# Altium PCB PCB1.PcbDoc (part 1 of 4) (continued)
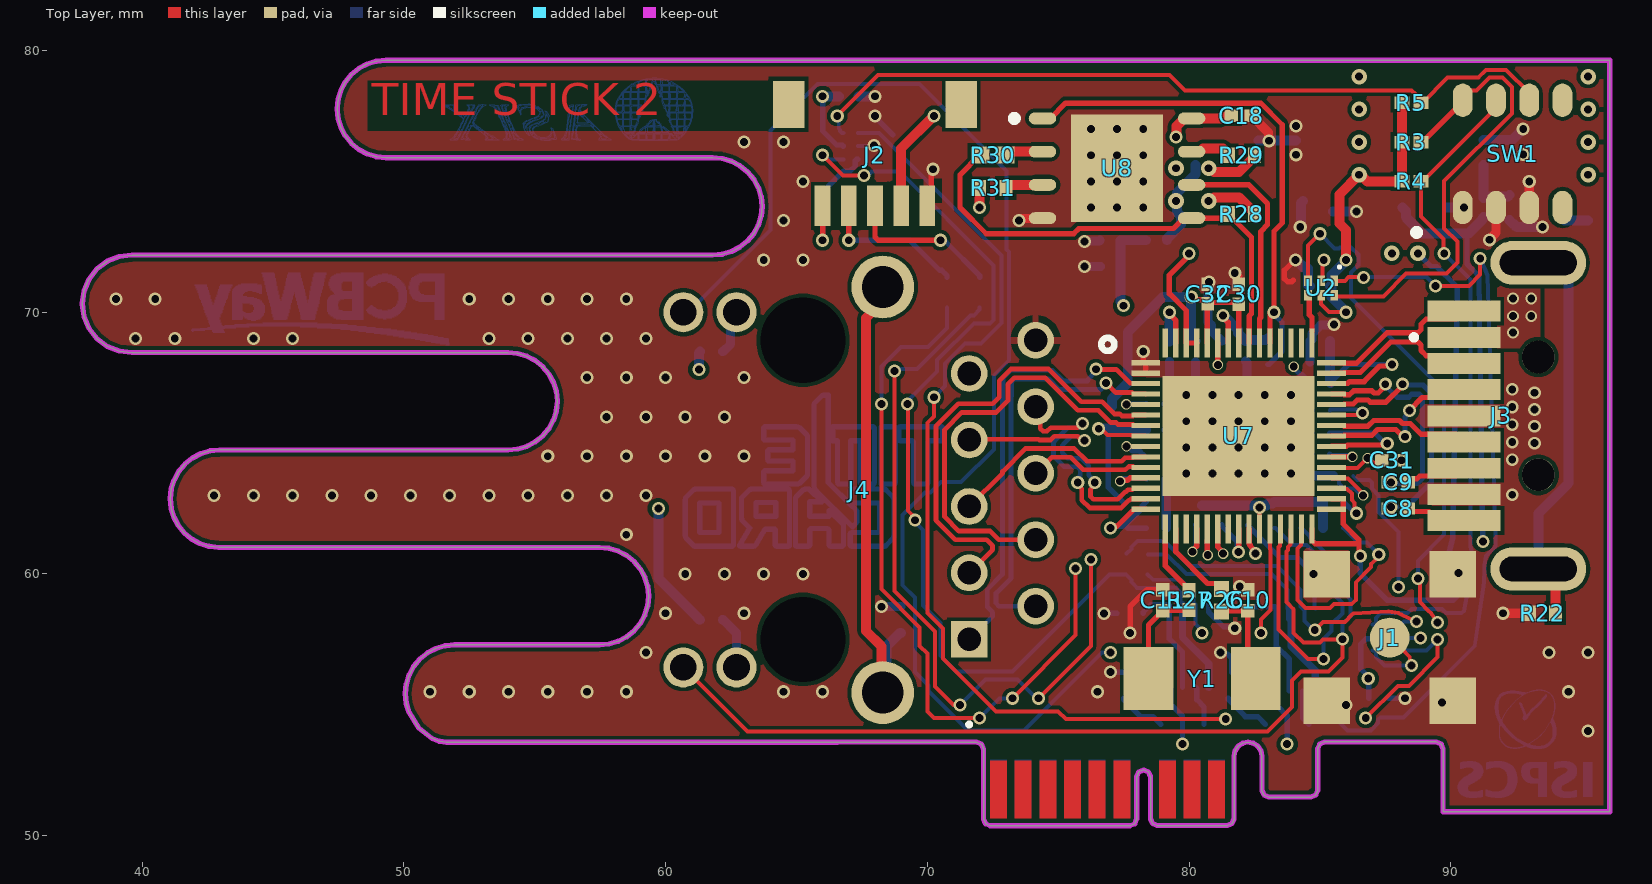
[diagram p0: Top Layer view]
## Footprints (in the part's own frame and the unit in brackets; to place one, negate y for a bottom-side part, rotate by r counter-clockwise, add the part's x,y. Pads: shape width x height; smd on the part's side, far side on the other; paste and mask are expansions set on the pad) (continued)
  rect 0.615x0.572 smd paste+0 mask+0: 1(-0.429,0) 2(0.429,0)
  body extent -0.5,-0.25 0.5,0.25, height 0.4
FP-RMCF0402-IPC_C [mm]
  rect 0.581x0.472 smd paste+0 mask+0: 1(-0.366,0) 2(0.366,0)
  body extent -0.76,-0.38 0.76,0.38, height 0.25
FP-RMCF0402-MFG [mm]
  rect 0.5x0.6 smd paste+0 mask+0: 1(-0.5,0) 2(0.5,0)
  body extent -0.85,-0.4 0.85,0.4, height 0.25
FP-RT0402-MFG [mm]
  rect 0.5x0.6 smd paste+0 mask+0: 1(-0.5,0) 2(0.5,0)
  body extent -0.5,-0.25 0.5,0.25, height 0.35
IC_AX88279 [mm]
  rect 1.1x0.2 smd: 1(-3.55,2.8) 2(-3.55,2.4) 3(-3.55,2) 4(-3.55,1.6) 5(-3.55,1.2) 6(-3.55,0.8) 7(-3.55,0.4) 8(-3.55,0) 9(-3.55,-0.4) 10(-3.55,-0.8) 11(-3.55,-1.2) 12(-3.55,-1.6) 13(-3.55,-2) 14(-3.55,-2.4) 15(-3.55,-2.8) 31(3.55,-2.8) 32(3.55,-2.4) 33(3.55,-2) 34(3.55,-1.6) 35(3.55,-1.2) 36(3.55,-0.8) 37(3.55,-0.4) 38(3.55,0) 39(3.55,0.4) 40(3.55,0.8) 41(3.55,1.2) 42(3.55,1.6) 43(3.55,2) 44(3.55,2.4) 45(3.55,2.8)
  rect 0.2x1.1 smd: 16(-2.8,-3.55) 17(-2.4,-3.55) 18(-2,-3.55) 19(-1.6,-3.55) 20(-1.2,-3.55) 21(-0.8,-3.55) 22(-0.4,-3.55) 23(0,-3.55) 24(0.4,-3.55) 25(0.8,-3.55) 26(1.2,-3.55) 27(1.6,-3.55) 28(2,-3.55) 29(2.4,-3.55) 30(2.8,-3.55) 46(2.8,3.55) 47(2.4,3.55) 48(2,3.55) 49(1.6,3.55) 50(1.2,3.55) 51(0.8,3.55) 52(0.4,3.55) 53(0,3.55) 54(-0.4,3.55) 55(-0.8,3.55) 56(-1.2,3.55) 57(-1.6,3.55) 58(-2,3.55) 59(-2.4,3.55) 60(-2.8,3.55)
  rect 5.8x4.6 smd paste-2539.97: 61(0,0)
  silkscreen extent -5.25,3.25 -4.75,3.75, body extent -3.5,-3.5 3.5,3.5, height 0.85
JST_SM05B-SRSS-TB_REV_NOV_29_2010 [mm] "Package information: https://www.jst-mfg.com/product/pdf/eng/eSH.pdf?65aee7afe015b"
  rect 1.55x0.6 smd paste+0 mask+0.05: 1(1.938,2) 2(1.938,1) 3(1.938,0) 4(1.938,-1) 5(1.938,-2)
  rect 1.8x1.2 smd paste+0 mask+0.05: MT1(-1.937,3.3) MT2(-1.937,-3.3)
  body extent -2.64,-3.5 2.31,3.5, height 2.97
PSON50P140X100X40-6N [mm]
  rect 0.4x0.3 smd: 1(-0.275,0.5) 2(-0.275,0) 3(-0.275,-0.5) 4(0.275,-0.5) 5(0.275,0) 6(0.275,0.5)
  silkscreen extent -0.85,0.65 -0.75,0.75
"RES 0402_1005" [mm] "Chip Resistor, 2-Leads, Body 1.0x0.5mm, IPC Medium Density"
  rect 0.75x0.6 smd: 1(-0.575,0) 2(0.575,0)
  body extent -0.5,-0.25 0.5,0.25, height 0.35
RESC1005X40X25LL10T10 [mm] "Chip Resistor, 2-Leads, Body 1.00x0.50mm, IPC High Density"
  rect 0.55x0.5 smd: 1(-0.375,0) 2(0.375,0)
  body extent -0.55,-0.3 0.55,0.3, height 0.4
RESC1005X40X25ML05T05 [mm] "Chip Resistor, 2-Leads, Body 1.00x0.50mm, IPC Low Density"
  rect 0.65x0.65 smd: 1(-0.5,0) 2(0.5,0)
  body extent -0.53,-0.27 0.53,0.28, height 0.4
RESC1005X40X25ML05T10 [mm] "Chip Resistor, 2-Leads, Body 1.00x0.50mm, IPC Low Density"
  rect 0.7x0.65 smd: 1(-0.475,0) 2(0.475,0)
  body extent -0.53,-0.27 0.53,0.28, height 0.4
SOP50P310X90-8N [mm]
  rect 0.85x0.3 smd: 1(-1.575,0.75) 2(-1.575,0.25) 3(-1.575,-0.25) 4(-1.575,-0.75) 5(1.575,-0.75) 6(1.575,-0.25) 7(1.575,0.25) 8(1.575,0.75)
  body extent -1.55,-1 1.55,1, height 0.9

## Part data
C1 C2 C3 C4 C5 C8 C9 C14 C15 C16 C17 C18 C20 C21 C22 C23 C24 C25 C26 C27 C30 C31 C32 C33 C34: library part CMP-13271-002758-1, "Cap Ceramic 100nF 10V X7R ±10% SMD 0402 +125°C Paper T/R", Case Code (Imperial)=0402, Case Code (Metric)=1005, Dielectric=X7R, Dielectric Material=Ceramic, Manufacturer=KEMET, Manufacturer Part Number=C0402C104K4RAC-TU, Max Operating Temperature=125°C, Min Operating Temperature=-55°C, Package Quantity=50000, Supplier Part Number=399-C0402C104K4RAC7867CT-ND, Tolerance=10%, Voltage=16V, Voltage Rating=10V, Capacitance=100nF, Case/Package=0402, CATEGORY="Ceramic Capacitors", Depth=0.5mm, Dissipation Factor=3.5%, Height=0.5mm, Length=1mm, Mount="Surface Mount", Packaging="Tape and Reel", Pins=2, Pricing="1=0.1, 10=0.032, 50=0.0182, 100=0.0141, 500=0.0106, 1000=0.00833, 2500=0.00758, 5000=0.00697 (USD)", Radiation Hardening=No, Reach SVHC Compliant=No, RoHS=Yes, Series=C, Stock=3965396, Supplier=Digikey, Termination=SMD/SMT, Thickness=0.022inch, Voltage Rating (DC)=10V, Width=0.02inch
C6 C12 C13 C19 C28: library part CMP-14477-004104-2, "Ceramic Capacitor General Use 4.7uF ±20% 10V X5R 0402", Capacitance=4.7uF, Case Code (Imperial)=0402, Case Code (Metric)=1005, Dielectric=X5R, Manufacturer="Taiyo Yuden", Manufacturer Part Number=LMK105BBJ475MVLF, Max Operating Temperature=85°C, Min Operating Temperature=-55°C, Package Quantity=10000, Resistor Type=Ceramic, Supplier Part Number=587-3408-1-ND, Tolerance=20%, Voltage Rating=10V, Case/Package=0402, CATEGORY="Ceramic Capacitors", ComponentLink1Description=https://datasheet.ciiva.com/24462/423lmk105bbj475mvlf-24462535.pdf?src-supplier=Onlinecomponents.com, ComponentLink1URL=https://datasheet.ciiva.com/24462/423lmk105bbj475mvlf-24462535.pdf?src-supplier=Onlinecomponents.com, ComponentLink2Description=https://datasheet.ciiva.com/18697/mlcc-all-e-18697686.pdf?src-supplier=Digikey, ComponentLink2URL=https://datasheet.ciiva.com/18697/mlcc-all-e-18697686.pdf?src-supplier=Digikey, ComponentLink3Description=https://datasheet.ciiva.com/18697/mlcc-all-e-18697685.pdf?src-supplier=Digikey, ComponentLink3URL=https://datasheet.ciiva.com/18697/mlcc-all-e-18697685.pdf?src-supplier=Digikey, Construction=Flat, Halogen Free="Halogen Free", Height=0.5mm, Length=1mm, Material=4241ConductorMaterial, Mount="Surface Mount", Mounting Technology="Surface Mount", Packaging="Tape and Reel", Pricing="1=0.19, 10=0.12, 50=0.076, 100=0.0607, 500=0.04386, 1000=0.03879, 2500=0.03711, 5000=0.03373 (USD)", RoHS=Yes, RoHS Compliant=Yes, Series=M, Stock=753964, Supplier=Digikey, Termination=SMD/SMT, Thickness=0.022inch, Voltage Rating (DC)=10V, Weight=2.3E-05oz, Width=0.02inch
C7 C29: library part CMP-2000-05441-1, "Chip Capacitor, 22 uF, +/- 20%, 10 V, -55 to 85 degC, 0603 (1608 Metric), RoHS, Tape and Reel", Capacitance=22µF, Case Code (Imperial)=0603, Case Code (Metric)=1608, Dielectric=X5R, Dielectric Material=Ceramic, Manufacturer=TDK, Manufacturer Part Number=C1608X5R1A226M080AC, Max Operating Temperature=85°C, Min Operating Temperature=-55°C, Operating Temperature=-55degC~85degC, Package / Case=0603(1608Metric), Package Description="2-Pin Surface Mount Device, Body 1.6 x 0.8 mm", Package Quantity=4000, Package Reference=603, PCN Part Number=MLCCPartNumberChange30/Nov/2012, Ratings=-, Standard Package=1, Supplier Part Number=445-9077-1-ND, Tolerance=±20%, Voltage - Rated=10V, Applications=GeneralPurpose, Case/Package=0603, CATEGORY=Capacitors, ComponentLink1Description=https://datasheet.ciiva.com/6274/tdkmlcccaprange-6274860.pdf?src-supplier=Digikey, ComponentLink1URL=https://datasheet.ciiva.com/6274/tdkmlcccaprange-6274860.pdf?src-supplier=Digikey, ComponentLink2Description=https://datasheet.ciiva.com/6274/tdkmlcccaprange-6274859.pdf?src-supplier=Digikey, ComponentLink2URL=https://datasheet.ciiva.com/6274/tdkmlcccaprange-6274859.pdf?src-supplier=Digikey, ComponentLink3Description=https://datasheet.ciiva.com/6274/tdkmlcccaprange-6274861.pdf?src-supplier=Digikey, ComponentLink3URL=https://datasheet.ciiva.com/6274/tdkmlcccaprange-6274861.pdf?src-supplier=Digikey, ComponentLink4Description=https://datasheet.ciiva.com/24216/mlcc-commercial-general-en-24216575.pdf?src-supplier=Mouser, ComponentLink4URL=https://datasheet.ciiva.com/24216/mlcc-commercial-general-en-24216575.pdf?src-supplier=Mouser, Datasheet URL=http://download.siliconexpert.com/pdfs/2015/4/21/15/54/45/779/tdk_/manual/37024850441143360mlcc_commercial_general_en.pdf, Datasheet Version=Mar-15, Design Resources=20WNon-IsolatedBuckLEDDriverUsingPLLNK460KG, Family=CeramicCapacitors, Features=-, Height=0.8mm, Height - Seated (Max)=-, Kits=445-9014-KIT-ND-KITMLCC100PF-22UF060310-50V, Lead Free="Lead Free", Lead Spacing=-, Lead Style=-, Length=1.6mm, Manufacturer URL=http://www.tdk.com/, Material=4241ConductorMaterial, Mounting Technology="Surface Mount", Mounting Type=SurfaceMount,MLCC, Online Catalog=CSeries,GeneralPurpose, Other Names=445-9077-1, Packaging=CutTape(CT), Pricing="1=0.33, 10=0.219, 50=0.1612, 100=0.1312, 500=0.1036, 1000=0.08748 (USD)", Product Training Modules=CSeriesGeneralApplicationsSEAT,CCV,andTVCLDesignToolsGuidetoReplacinganElectrolyticCapacitorwithanMLCC, Reach SVHC Compliant=No, RoHS=Yes, RoHS Compliant=Yes, RoHS Information=RoHSCertificate-MLCC, Series=C, Size / Dimension="0.063\"Lx0.031\"W(1.60mmx0.80mm)", Stock=1433584, Supplier=Digikey, Temperature Coefficient=X5R, Termination=SMD/SMT, Thickness (Max)="0.035\"(0.90mm)", Voltage Rating=10V, Voltage Rating (DC)=10V, Weight=7.1E-05oz, Width=0.8mm
C10 C11: library part CMP-03020-019954-1, "CAP CER 15PF 100V C0G/NP0 0402", Capacitance="15 pF", Manufacturer=KEMET, Manufacturer Part Number=CBR04C150F1GAC, Package=CBR04C, Temperature="-55°C to +125°C", Temperature Characteristic=C0G, Temperature Coefficient=30ppm/°C, Temperature Range High=+125°C, Temperature Range Low=-55°C, Tolerance=0.01, Voltage Rating="100 V", Automotive=No, CATEGORY=Cap, ComponentLink2Description=Datasheet, ComponentLink2URL=https://content.kemet.com/datasheets/KEM_C1030_CBR_SMD.pdf, Device Class L1="Passive Components", Device Class L2=Capacitors, Device Class L3="Ceramic Capacitors", Digikey Description="CAP CER 15PF 100V C0G/NP0 0402", Height=0.55mm, Ipc Land Pattern Name=CAPC10050X50, Lead Free=Yes, Material=Ceramic, Mouser Description="Multilayer Ceramic Capacitors MLCC - SMD/SMT 100volts 15pF C0G 0402 1% Tol RF", Octopart=https://octopart.com/cbr04c150f1gac-kemet-30609229, RoHS=TRUE
D1 D2: library part CMP-44529-000024-1, "LED GREEN CLEAR CHIP SMD", Case Code (Imperial)=0603, Case Code (Metric)=1608, Color=Green, Forward Current=20mA, Forward Voltage=3.3V, Lens Color=Colorless, Manufacturer=Kingbright, Max Operating Temperature=85°C, Min Operating Temperature=-40°C, Package Quantity=1, Supplier Part Number=C5554158, Case/Package=0603, CATEGORY=LEDs, ComponentLink1Description=https://datasheet.ciiva.com/16422/apt1608zgck-262051-16422477.pdf?src-supplier=Mouser, ComponentLink1URL=https://datasheet.ciiva.com/16422/apt1608zgck-262051-16422477.pdf?src-supplier=Mouser, ComponentLink2Description=https://datasheet.ciiva.com/26292/apt1608zgck-26292289.pdf?src-supplier=Digikey, ComponentLink2URL=https://datasheet.ciiva.com/26292/apt1608zgck-26292289.pdf?src-supplier=Digikey, ComponentLink3Description=https://datasheet.ciiva.com/29562/apt1608zgck-29562277.pdf?src-supplier=Digikey, ComponentLink3URL=https://datasheet.ciiva.com/29562/apt1608zgck-29562277.pdf?src-supplier=Digikey, Dominant Wavelength=525nm, Height=0.75mm, Illumination Color=Green, Lead Free="Lead Free", Length=1.6mm, Lens Transparency=Clear, Luminous Intensity=350mcd, Manufacturer Part Number=APT1608ZGCK, Mount="Surface Mount", Mounting Technology="Surface Mount", Packaging="Tape and Reel", Pricing="5=0.3043, 50=0.2442, 150=0.2184, 500=0.1863, 2000=0.1719, 4000=0.1633 (USD)", RoHS=Yes, RoHS Compliant=Yes, Series=HELI2, Stock=1770, Supplier=LCSC, Test Current=20mA, Viewing Angle=120°, Width=0.8mm
FB1 FB2 FB3 FB4: library part CMP-0686-00284-4, "Chip Ferrite Bead, 0402, 80Ω @ 100MHz, 0.07Ω, 25%, 1.5A", Case Code (Imperial)=0402, Case Code (Metric)=1005, Current Rating=1.5A, DC Resistance (DCR)=70mR, Manufacturer=Murata, Max Operating Temperature=125°C, Min Operating Temperature=-55°C, Package Quantity=1, Supplier Part Number=490-5202-1-ND, Test Frequency=100MHz, Tolerance=25%, Case/Package=0402, CATEGORY="Ferrite Beads and Chips", ComponentLink1Description=https://datasheet.ciiva.com/41449/001172208-da-01-en-drossel-0402-80r-1-0x0-5mm-10000st-41449497.pdf?src-supplier=Conrad, ComponentLink1URL=https://datasheet.ciiva.com/41449/001172208-da-01-en-drossel-0402-80r-1-0x0-5mm-10000st-41449497.pdf?src-supplier=Conrad, ComponentLink2Description=https://datasheet.ciiva.com/1012/l0110e-1012441.pdf?src-supplier=Digikey, ComponentLink2URL=https://datasheet.ciiva.com/1012/l0110e-1012441.pdf?src-supplier=Digikey, ComponentLink3Description=https://datasheet.ciiva.com/1012/l0110e-1012440.pdf?src-supplier=Digikey, ComponentLink3URL=https://datasheet.ciiva.com/1012/l0110e-1012440.pdf?src-supplier=Digikey, ComponentLink4Description=https://datasheet.ciiva.com/1012/l0110e-1012442.pdf?src-supplier=Digikey, ComponentLink4URL=https://datasheet.ciiva.com/1012/l0110e-1012442.pdf?src-supplier=Digikey, ComponentLink5Description=https://datasheet.ciiva.com/16420/l0110s0100blm15pgblm15pd-16420757.pdf?src-supplier=Future+Electronics, ComponentLink5URL=https://datasheet.ciiva.com/16420/l0110s0100blm15pgblm15pd-16420757.pdf?src-supplier=Future+Electronics, DC Resistance-Max=70mR, Depth=0.5mm, Height=0.5mm, Impedance=80R, Lead Free="Lead Free", Length=1mm, Manufacturer Part Number=BLM15PD800SN1D, Material=Ferrite, Max Current Rating=1.5A, Max DC Current=1.5A, Number of Circuits=1, Number of Lines=1, Number of Pins=2, Packaging="Tape and Reel", Pins=2, Pricing="1=0.1, 10=0.068, 25=0.0616, 50=0.0556, 100=0.0408, 250=0.02968, 500=0.0272, 1000=0.02348, 5000=0.01854 (USD)", REACH SVHC="No SVHC", Reach SVHC Compliant=No, RoHS=Yes, RoHS Compliant=Yes, Series=BLM15PD, Stock=94761, Supplier=Digikey, Termination=SMD/SMT, Width=0.5mm
J1: library part CMP-04764-000006-1, "CONN SMA JACK STR 50 OHM SMD", Contact Resistance=3mR, Dielectric Withstanding Voltage (AC)=1.4kV, Frequency=18GHz, Insulation Resistance=5GR, Manufacturer=Molex, Manufacturer Series=73251, Max Operating Temperature=165°C, Min Operating Temperature=-65°C, Operating Frequency-Max=18kHz, Supplier Part Number=WM9357-ND, Temperature="-65°C to +165°C", Temperature Range High=+165°C, Voltage Rating=500V, Automotive=No, Body Depth=0.375inch, Body/Shell Style=JACK, CATEGORY=Conn, Characteristic Impedance=50R, ComponentLink1Description=https://datasheet.ciiva.com:443/pdfs/VipMasterIC/IC/MOLE/MOLE-S-A0001396055/MOLE-S-A0001473074-1.pdf?src-supplier=IHS+Markit, ComponentLink1URL=https://datasheet.ciiva.com:443/pdfs/VipMasterIC/IC/MOLE/MOLE-S-A0001396055/MOLE-S-A0001473074-1.pdf?src-supplier=IHS+Markit, ComponentLink2Description=Datasheet, ComponentLink2URL=https://www.molex.com/pdm_docs/sd/732511350_sd.pdf, Conn Orientation=Straight, Connector Type=SMA, Contact Finish - Mating="NOT SPECIFIED", Contact Gender=Female, Contact Material=Gold, Contact Style=Coax, Device Class L1=Connectors, Device Class L2="RF / Coaxial Connectors", Device Class L3=unset, Digikey Description="CONN SMA JACK STR 50 OHM SMD", Durability=500Cycles, Footprint Url=https://forum.upverter.com/uploads/default/original/3X/d/a/daeafa2ce4908d4fc4e49f0b17d7d2c986fce444.pdf, Height=9.655mm, Impedance=50Ω, Insertion Loss=0.17dB, Insulation Material=Teflon, Is Female=yes, Lead Free=Yes, Manufacturer Part Number=73251-1350, Mounting Option 1=LOCKING, Mounting Style=STRAIGHT, Mounting Technology=Board, Mouser Description="RF Connectors / Coaxial Connectors SMA ST PCB-JCK STD SMT", Number Of Contacts=1, Number of Ports=1, Octopart=https://octopart.com/73251-1350-molex-5414390, Package=73251-1350, Panel Mount=Yes, Pricing="1=4.22, 10=3.712, 80=2.95275, 1600=2.36223, 3200=2.27786 (USD)", Reach SVHC Compliant=No, Reliability=COMMERCIAL, RoHS=TRUE, RoHS Compliant=Yes, Shell Finish=Gold, Shell Material=Brass, Shielding=true, Standoff Height=0.41mm, Stock=5647, Supplier=Digikey, Temperature Range Low=-65°C, Termination=SMD/SMT, VSWR=1.07
J2: library part CMP-CON-00539-2, "CONN, B2C/W, HEADER, 5-POS, 1.00MM PITCH, 2.90MM H, RA, TIN, SMT", Color=Natural, Current Rating=0.7A, Internal Part Number=830-02819-00, Manufacturer="JST Sales America Inc.", Manufacturer Part Number=SM05B-SRSS-G-TB, Max Operating Temperature=85°C, Min Operating Temperature=-25°C, Supplier Part Number 1=455-SM05B-SRSS-G-TBTR-ND, Voltage Rating=50V, CATEGORY="Headers, Male Pins", Connector Type=Header, Contact Finish=Tin, Contact Material="Copper Alloy", Contact Shape=Square, Contact Type="Male Pin", Datasheet URL=https://www.jst-mfg.com/product/pdf/eng/eSH.pdf?65e8c309183bb, Features="Solder Retention", Height="0.114\" (2.90mm)", Insulation="Polyamide (PA), Nylon", Mounting Type="Surface Mount, Right Angle", Number of Positions/Contacts=5, Part Status=Active, Pitch="0.039\" (1.00mm)", RoHS=Yes, Rows=1, Series=SH/SR, Shrouded="Shrouded - 4 Wall", Signal Pins=5, Style="Board to Cable/Wire", Supplier 1=Digikey, System=Connector, Termination=Solder
J3: library part CONN_GSB316441CEU, "Conn USB 3.0 Type A PL 9 POS Solder RA SMD 9 Terminal 1 Port", Current Rating=1.8A, Manufacturer="Amphenol Commercial", Package=None, Package Quantity=1, Supplier Part Number=GSB316441CEUCT-ND, CATEGORY="USB Connectors", Check_prices=https://www.snapeda.com/parts/GSB316441CEU/Amphenol/view-part/?ref=eda, ComponentLink1Description=https://datasheet.ciiva.com/10945/gsb316441ceu-10945197.pdf?src-supplier=Avnet, ComponentLink1URL=https://datasheet.ciiva.com/10945/gsb316441ceu-10945197.pdf?src-supplier=Avnet, Connector Type=USB, Contact Material="Copper Alloy", Contact Plating=Gold, Manufacturer Part Number=GSB316441CEU, MF=Amphenol, Mounting Technology="Surface Mount,Horizontal", MP=GSB316441CEU, Number Of Contacts=9, Orientation="Right Angle", Packaging="Tape and Reel", Pricing="1=2.04, 10=1.775, 25=1.6996, 50=1.6618, 100=1.5863, 250=1.43524 (USD)", Radiation Hardening=No, RoHS=Yes, RoHS Compliant=Yes, Series=GSB3, SnapEDA_Link=https://www.snapeda.com/parts/GSB316441CEU/Amphenol/view-part/?ref=snap, Stock=13312, Supplier=Digikey, Supplier 1=Digikey, Supplier Part Number 1=GSB316441CEUCT-ND, Termination=SMD/SMT
J4: "Connector", Manufacturer_Name=ABRACON, Mouser Part Number=815-RJM11D7809ABEW2, Arrow Part Number=ARJM11D7-809-AB-EW2, Arrow Price/Stock=null?region=nac, Datasheet Link=https://abracon.com/Magnetics/ARJM11.pdf, Height=14.05mm, Manufacturer_Part_Number=ARJM11D7-809-AB-EW2, Mouser Price/Stock=https://www.mouser.co.uk/ProductDetail/ABRACON/ARJM11D7-809-AB-EW2?qs=YCa%2FAAYMW03gbQ6lIqrJ2w%3D%3D
L1 L2: library part CMP-06042-016211-1, "Multilayer Type Inductor for Power Lines, 1008 (2520), 3.3μH, 20%, 0.125Ω, 1.2A", Case Code (Imperial)=1008, Case Code (Metric)=2520, Current Rating=1.2A, DC Resistance (DCR)=125mR, Inductance=3.3uH, Inductance Tolerance=20%, Manufacturer=Murata, Manufacturer Part Number=LQM2HPN3R3MG0L, Max Operating Temperature=125°C, Min Operating Temperature=-55°C, Package Quantity=3000, Self Resonant Frequency=30MHz, Supplier Part Number=490-5115-1-ND, Test Frequency=1MHz, Case/Package=1008, CATEGORY="Fixed Inductors", ComponentLink1Description=https://datasheet.ciiva.com/30490/0900766b812561d9-30490184.pdf?src-supplier=Rs, ComponentLink1URL=https://datasheet.ciiva.com/30490/0900766b812561d9-30490184.pdf?src-supplier=Rs, ComponentLink2Description=https://datasheet.ciiva.com/1042/l0075s0104lqm2hp-g0-1042940.pdf?src-supplier=Digikey, ComponentLink2URL=https://datasheet.ciiva.com/1042/l0075s0104lqm2hp-g0-1042940.pdf?src-supplier=Digikey, ComponentLink3Description=https://datasheet.ciiva.com/1042/l0075s0104lqm2hp-g0-1042941.pdf?src-supplier=Digikey, ComponentLink3URL=https://datasheet.ciiva.com/1042/l0075s0104lqm2hp-g0-1042941.pdf?src-supplier=Digikey, ComponentLink4Description=https://datasheet.ciiva.com/1042/l0075s0104lqm2hp-g0-1042942.pdf?src-supplier=Digikey, ComponentLink4URL=https://datasheet.ciiva.com/1042/l0075s0104lqm2hp-g0-1042942.pdf?src-supplier=Digikey, ComponentLink5Description=https://datasheet.ciiva.com/8509/l0075s0104lqm2hp-g0-8509087.pdf?src-supplier=Avnet, ComponentLink5URL=https://datasheet.ciiva.com/8509/l0075s0104lqm2hp-g0-8509087.pdf?src-supplier=Avnet, Core Material=Ferrite, DC Current=1.2A, Depth=2.2mm, Height=0.9mm, Height - Seated (Max)=0.039inch, Lead Free="Lead Free", Length=2.5mm, Max DC Current=1.2A, Military Standard=Not, Mount="Surface Mount", Mounting Technology="Surface Mount", Packaging="Tape and Reel", Pricing="1=0.21, 10=0.171, 25=0.1576, 50=0.1444, 100=0.1274, 250=0.12344, 500=0.11032, 1000=0.0893 (USD)", Radiation Hardening=No, REACH SVHC="No SVHC", Reach SVHC Compliant=No, RoHS=Yes, RoHS Compliant=Yes, Series=LQM2HP_G0, Shielding=Shielded, Stock=32510, Supplier=Digikey, Termination=SMD/SMT, Tolerance=20%, Width=2mm
R1 R2 R7 R8 R14 R15 R21 R28 R29 R31: library part CMP-2002-02814-2, "RES SMD 4.7K OHM 0.1% 1/16W 0402", Manufacturer=Yageo, Manufacturer Part Number=RT0402BRD074K7L, Package=RT0402, Power Rating=0.063W, Resistance=4.7KΩ, Temperature="-55°C to +155°C", Temperature Coefficient="25 ppm/°C", Temperature Range High=+155°C, Temperature Range Low=-55°C, Tolerance=0.001, Voltage Rating=50V, Automotive=No, CATEGORY=Res, ComponentLink2Description=Datasheet, ComponentLink2URL=http://www.yageo.com/documents/recent/PYu-RT_1-to-0.01_RoHS_L_9.pdf, Composition="Thin Film", Device Class L1="Passive Components", Device Class L2=Resistors, Device Class L3="Chip SMD Resistors", Digikey Description="RES SMD 4.7K OHM 0.1% 1/16W 0402", Footprint Url=http://www.yageo.com/exep/pages/download/literatures/PYu-R_Mount_10.pdf, Height=0.35mm, Ipc Land Pattern Name=RESC10050X30, Lead Free=Yes, Mouser Description="Thin Film Resistors 1/16W 4.7K ohm .1% 25ppm", Octopart=https://octopart.com/rt0402brd074k7l-yageo-1415343, RoHS=TRUE, Series=RT
R3 R4 R5 R11 R32: library part CMP-26527-000128-1, "10kΩ ±1% 0.063W 0402 Thick Film Chip Resistor AEC-Q200 compliant", Case Code (Imperial)=0402, Case Code (Metric)=1005, Manufacturer="Stackpole Electronics", Manufacturer Part Number=RMCF0402FT10K0, Max Operating Temperature=155°C, Max Power Dissipation=63mW, Min Operating Temperature=-55°C, Power Rating=62.5mW, Ratings=AEC-Q200, Resistance=10kR, Resistor Type="Thick Film", Supplier Part Number=RMCF0402FT10K0CT-ND, Temperature Coefficient=100ppm/°C, Tolerance=1%, Case/Package=0402, CATEGORY="Chip SMD Resistors", ComponentLink1Description=https://datasheet.ciiva.com/24341/sei-rmcp-24341800.pdf?src-supplier=Onlinecomponents.com, ComponentLink1URL=https://datasheet.ciiva.com/24341/sei-rmcp-24341800.pdf?src-supplier=Onlinecomponents.com, Construction=Rectangular, Contact Plating=Tin, Depth=0.5mm, Features="Automotive AEC-Q200", Height=0.016inch, Lead Free="Lead Free", Length=1mm, Military Standard=Not, Mount="Surface Mount", Mounting Technology="Surface Mount", Number of Terminations=2, Packaging="Tape and Reel", Pricing="1=0.1, 10=0.021, 50=0.0116, 100=0.0093, 500=0.00594, 1000=0.005, 5000=0.00345 (USD)", Radiation Hardening=No, RoHS=Yes, RoHS Compliant=Yes, Series=RMCF, Size Code=0402, Stock=16567212, Supplier=Digikey, Width=0.02inch
R6 R9 R26: library part CMP-2002-05495-2, "Thick Film Chip Resistors 0402 0Ω 0.0625W 5%", Case Code (Imperial)=0402, Case Code (Metric)=1005, Manufacturer=Bourns, Manufacturer Part Number=CR0402-J/-000GLF, Manufacturer Series=CR0402, Max Operating Temperature=125°C, Max Power Dissipation=63mW, Min Operating Temperature=-55°C, Package Quantity=10000, Package Shape=Rectangular, Power Rating=62.5mW, Resistance=0mR, Resistance Tolerance=5%, Resistor Type="Thick Film", Supplier Part Number=C203078, Temperature Coefficient=500ppm/°C, Voltage Rating=50V, Case/Package=0402, CATEGORY="Chip SMD Resistors", ComponentLink1Description=https://datasheet.ciiva.com/11811/0900766b80fcdb41-11811721.pdf?src-supplier=Rs, ComponentLink1URL=https://datasheet.ciiva.com/11811/0900766b80fcdb41-11811721.pdf?src-supplier=Rs, ComponentLink2Description=https://datasheet.ciiva.com/19466/774727-19466474.pdf?src-supplier=Jameco, ComponentLink2URL=https://datasheet.ciiva.com/19466/774727-19466474.pdf?src-supplier=Jameco, ComponentLink3Description=https://datasheet.ciiva.com/7986/cr0402-7986154.pdf?src-supplier=Element14, ComponentLink3URL=https://datasheet.ciiva.com/7986/cr0402-7986154.pdf?src-supplier=Element14, ComponentLink4Description=https://datasheet.ciiva.com/9116/cr0402-9116774.pdf?src-supplier=Avnet, ComponentLink4URL=https://datasheet.ciiva.com/9116/cr0402-9116774.pdf?src-supplier=Avnet, ComponentLink5Description=https://datasheet.ciiva.com/6549/cr0402-6549983.pdf?src-supplier=Digikey, ComponentLink5URL=https://datasheet.ciiva.com/6549/cr0402-6549983.pdf?src-supplier=Digikey, ComponentLink6Description=https://datasheet.ciiva.com/30262/cr0402-30262110.pdf?src-supplier=Onlinecomponents.com, ComponentLink6URL=https://datasheet.ciiva.com/30262/cr0402-30262110.pdf?src-supplier=Onlinecomponents.com, Composition="Thick Film", Contact Plating=Tin, Depth=0.5mm, Height=0.35mm, Length=1mm, Mount="Surface Mount", Mounting Technology="Surface Mount", Number of Pins=2, Number of Terminations=2, Packaging="Tape and Reel", Pins=2NUMBER, Pricing="100=0.004, 1000=0.0033, 3000=0.0029, 10000=0.0026, 50000=0.0024, 100000=0.0023 (USD)", Radiation Hardening=No, REACH SVHC="No SVHC", Reach SVHC Compliant=No, RoHS=Yes, RoHS Compliant=Yes, Series=CR0402, Stock=2300, Supplier=LCSC, Technology="THICK FILM", Terminal Finish=Tin, Termination=SMD/SMT, Thickness=356um, Tolerance=5%, Voltage Rating (DC)=50V, Width=0.5mm
R10: library part CMP-1011-00702-2, Case/Package=0402, Manufacturer=Bourns, Manufacturer Part Number=CR0402-FX-4992GLF, Max Operating Temperature=125°C, Min Operating Temperature=-55°C, Package Height=0.35mm, Package Length=1mm, Package Shape=Rectangular, Package Style=SMTMeter, Package Width=0.5mm, Power=62.5mW, Rated Temperature=70°C, Resistor Type="FIXED RESISTOR", Supplier Part Number=CR0402-FX-4992GLFCT-ND, Temperature Coefficient=100ppm/°C, Tolerance=1%, Working Voltage=50V, CATEGORY="Chip SMD Resistors", ComponentLink1Description=https://datasheet.ciiva.com:443/pdfs/VipMasterIC/IC/BOUR/BOUR-S-A0008953887/BOUR-S-A0008953887-1.pdf?src-supplier=IHS+Markit, ComponentLink1URL=https://datasheet.ciiva.com:443/pdfs/VipMasterIC/IC/BOUR/BOUR-S-A0008953887/BOUR-S-A0008953887-1.pdf?src-supplier=IHS+Markit, ComponentLink2Description=https://datasheet.ciiva.com/5589/cr0402-5589723.pdf?src-supplier=Mouser, ComponentLink2URL=https://datasheet.ciiva.com/5589/cr0402-5589723.pdf?src-supplier=Mouser, ComponentLink3Description=https://datasheet.ciiva.com/25647/cr0402-25647303.pdf?src-supplier=Digikey, ComponentLink3URL=https://datasheet.ciiva.com/25647/cr0402-25647303.pdf?src-supplier=Digikey, ComponentLink4Description=https://datasheet.ciiva.com/29711/cr0402-29711613.pdf?src-supplier=Digikey, ComponentLink4URL=https://datasheet.ciiva.com/29711/cr0402-29711613.pdf?src-supplier=Digikey, ComponentLink5Description=https://datasheet.ciiva.com/29711/cr0402-29711614.pdf?src-supplier=Digikey, ComponentLink5URL=https://datasheet.ciiva.com/29711/cr0402-29711614.pdf?src-supplier=Digikey, ComponentLink6Description=https://datasheet.ciiva.com/9121/cr0402-9121263.pdf?src-supplier=Avnet, ComponentLink6URL=https://datasheet.ciiva.com/9121/cr0402-9121263.pdf?src-supplier=Avnet, Construction=Chip, JESD-609 Code=e3, Mounting Technology="Surface Mount", Packaging="Tape and Reel", Part Number=CR0402-FX-4992GLF, Pins=2, Pricing="1=0.1, 10=0.012, 50=0.007, 100=0.0056, 500=0.00356, 1000=0.003, 5000=0.00207 (USD)", Reach SVHC Compliant=No, RoHS=Yes, RoHS Compliant=Yes, Stock=654471, Supplier=Digikey, Technology="RUTHENIUM OXIDE", Terminal Finish=Nickel, Termination=Wraparound
R12: library part CMP-1011-00736-2, Case/Package=0402, Manufacturer="Vishay Dale", Manufacturer Part Number=CRCW0402100KFKTD, Max Operating Temperature=155°C, Min Operating Temperature=-55°C, Package Height=0.35mm, Package Length=1mm, Package Shape=Rectangular, Package Style=SMTMeter, Package Width=0.5mm, Power=63mW, Rated Temperature=70°C, Resistor Type="FIXED RESISTOR", Supplier Part Number=541-CRCW0402100KFKTDCT-ND, Temperature Coefficient=100ppm/°C, Tolerance=1%, Working Voltage=50V, CATEGORY="Chip SMD Resistors", ComponentLink1Description=https://datasheet.ciiva.com:443/pdfs/VipMasterIC/IC/VISH/VISH-S-A0002183699/VISH-S-A0002183699-1.pdf?src-supplier=IHS+Markit, ComponentLink1URL=https://datasheet.ciiva.com:443/pdfs/VipMasterIC/IC/VISH/VISH-S-A0002183699/VISH-S-A0002183699-1.pdf?src-supplier=IHS+Markit, ComponentLink2Description=https://datasheet.ciiva.com/3883/dcrcw-3883348.pdf?src-supplier=Arrow+Electronics, ComponentLink2URL=https://datasheet.ciiva.com/3883/dcrcw-3883348.pdf?src-supplier=Arrow+Electronics, ComponentLink3Description=https://datasheet.ciiva.com/26944/getdatasheetpartid-104148-26944497.pdf?src-supplier=Verical, ComponentLink3URL=https://datasheet.ciiva.com/26944/getdatasheetpartid-104148-26944497.pdf?src-supplier=Verical, ComponentLink4Description=https://datasheet.ciiva.com/2563/dcrcw-2563010.pdf?src-supplier=Digikey, ComponentLink4URL=https://datasheet.ciiva.com/2563/dcrcw-2563010.pdf?src-supplier=Digikey, ComponentLink5Description=https://datasheet.ciiva.com/8982/dcrcw-8982555.pdf?src-supplier=Avnet, ComponentLink5URL=https://datasheet.ciiva.com/8982/dcrcw-8982555.pdf?src-supplier=Avnet, Construction=Chip, JESD-609 Code=e0, Mounting Technology="Surface Mount", Packaging="Tape and Reel", Part Number=CRCW0402100KFKTD, Pins=2, Pricing="1=0.15, 10=0.075, 50=0.0502, 100=0.0428, 500=0.03068, 1000=0.027, 5000=0.0207 (USD)", Reach SVHC Compliant=No, Reference Standard=AEC-Q200, RoHS=No, RoHS Compliant=No, Stock=51733, Supplier=Digikey, Technology="METAL GLAZE/THICK FILM", Terminal Finish=Nickel, Termination=Wraparound
R13: library part CMP-2002-03028-2, "RES SMD 24K OHM 1% 1/16W 0402", Manufacturer=Yageo, Manufacturer Part Number=RT0402FRE0724KL, Package=RT0402, Power Rating=0.063W, Resistance=24KΩ, Temperature="-55°C to +155°C", Temperature Coefficient="50 ppm/°C", Temperature Range High=+155°C, Temperature Range Low=-55°C, Tolerance=0.01, Voltage Rating=50V, Automotive=No, CATEGORY=Res, ComponentLink2Description=Datasheet, ComponentLink2URL=http://www.yageo.com/documents/recent/PYu-RT_1-to-0.01_RoHS_L_9.pdf, Composition="Thin Film", Device Class L1="Passive Components", Device Class L2=Resistors, Device Class L3="Chip SMD Resistors", Digikey Description="RES SMD 24K OHM 1% 1/16W 0402", Footprint Url=http://www.yageo.com/exep/pages/download/literatures/PYu-R_Mount_10.pdf, Height=0.35mm, Ipc Land Pattern Name=RESC10050X30, Lead Free=Yes, Octopart=https://octopart.com/rt0402fre0724kl-yageo-1380387, RoHS=TRUE, Series=RT
R16 R17 R20: library part CMP-2002-03778-1, Case/Package=0402, Manufacturer="KOA Speer", Manufacturer Part Number=RK73B1ETTP473J, Max Operating Temperature=155°C, Min Operating Temperature=-55°C, Package Height=0.35mm, Package Length=1mm, Package Style=SMTMeter, Package Width=0.5mm, Power=100mW, Rated Temperature=70°C, Resistor Type="FIXED RESISTOR", Supplier Part Number=2019-RK73B1ETTP473JCT-ND, Temperature Coefficient=200ppm/°C, Tolerance=5%, Working Voltage=50V, CATEGORY="Chip SMD Resistors", ComponentLink1Description=https://datasheet.ciiva.com:443/pdfs/VipMasterIC/IC/KOAS/KOAS-S-A0009586303/KOAS-S-A0009586303-1.pdf?src-supplier=IHS+Markit, ComponentLink1URL=https://datasheet.ciiva.com:443/pdfs/VipMasterIC/IC/KOAS/KOAS-S-A0009586303/KOAS-S-A0009586303-1.pdf?src-supplier=IHS+Markit, ComponentLink2Description=https://datasheet.ciiva.com/5556/rk73b-5556607.pdf?src-supplier=Mouser, ComponentLink2URL=https://datasheet.ciiva.com/5556/rk73b-5556607.pdf?src-supplier=Mouser, ComponentLink3Description=https://datasheet.ciiva.com/15218/getdatasheetpartid-72374-15218893.pdf?src-supplier=Verical, ComponentLink3URL=https://datasheet.ciiva.com/15218/getdatasheetpartid-72374-15218893.pdf?src-supplier=Verical, Construction=Rectangular, JESD-609 Code=e3, Mounting Technology="Surface Mount", Packaging="Tape and Reel", Part Number=RK73B1ETTP473J, Pins=2, Pricing="1=0.1, 10=0.017, 50=0.0104, 100=0.0087, 500=0.0058, 1000=0.00494, 5000=0.00355 (USD)", Reach SVHC Compliant=Yes, Reference Standard=AEC-Q200, RoHS=Yes, RoHS Compliant=Yes, Stock=25570, Supplier=Digikey, Technology="METAL GLAZE/THICK FILM", Terminal Finish=Nickel, Termination=Wraparound